# Altium PCB LimeSDR-USB_1v4s.PcbDoc (part 4 of 10) (continued)
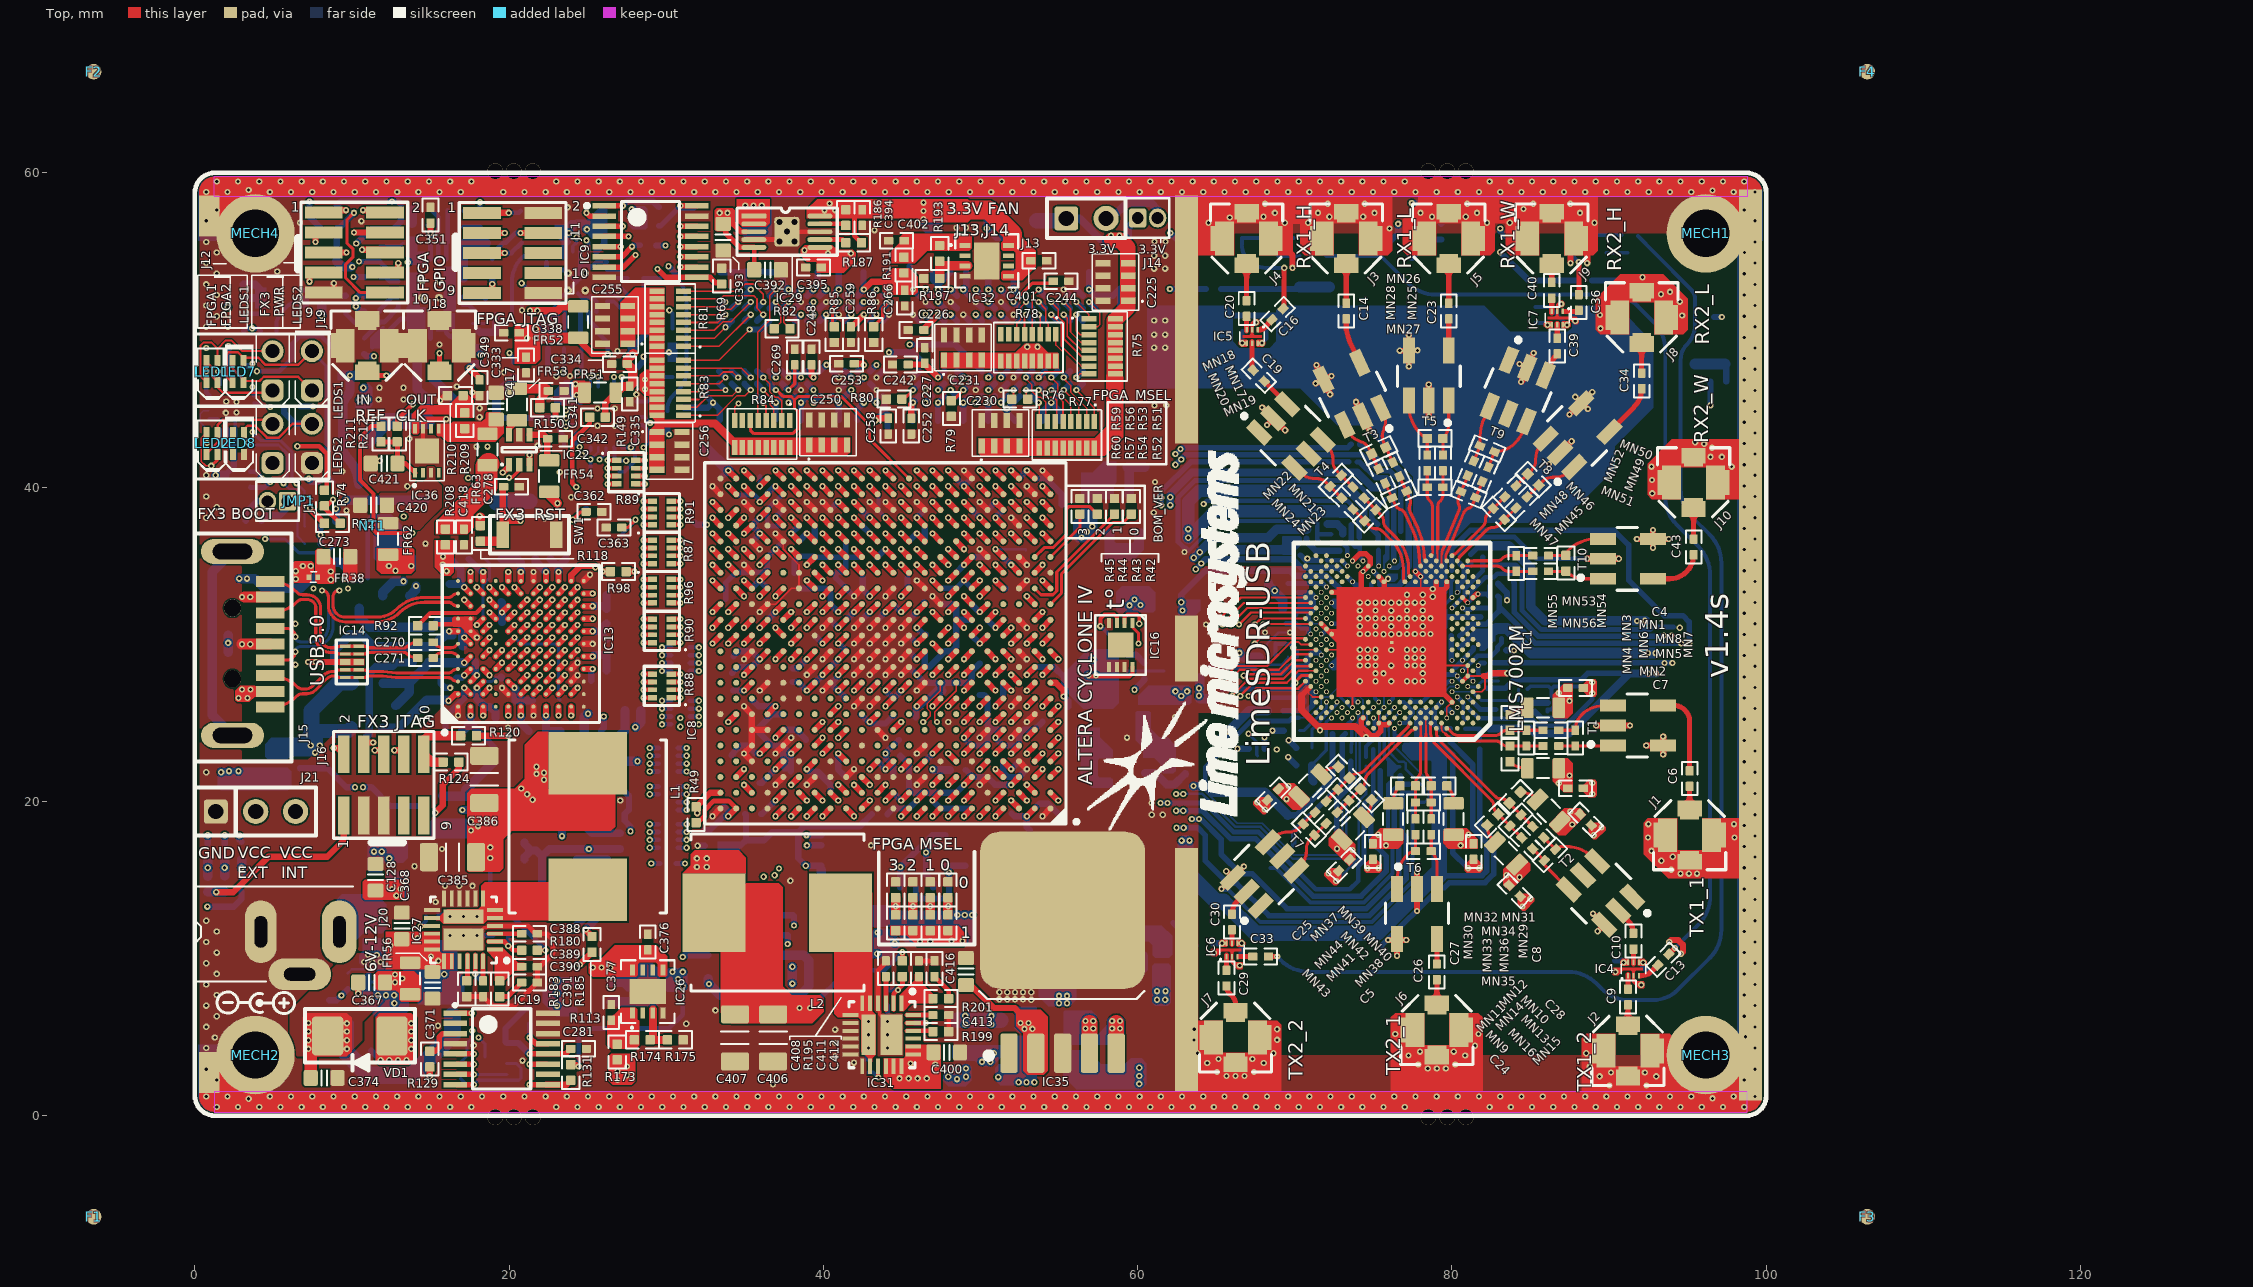
[diagram p0: Top view]
## Nets (pads, with @x,y where several pads share a name; then routed paths per layer and width w, separated by ;. In a path a pad name is that pad's centre, name@x,y a point inside that pad or via, vN(x,y) a via of type N, cw(c..) or ccw(c..) an arc to the next point about the centre after c; other vN are vias at no path point) (continued)
FPGA_GPIO7: IC8.F1 J12.8 | length 88
  Top w0.4: J12.8@12.1,53.65 12.95,53.65 v1(12.95,54.25) ; IC8.F1@54.45,24.55 v2(54.95,25.05)
  L9 w0.1: v1(12.95,54.25) 13.675,54.975 15.8,54.975 19.175,51.6 21.974,51.6 23.074,50.5 30.45,50.5 33.875,53.925 57.564,53.925 58.875,52.614 58.875,35.222 56.103,32.45 54.75,32.45 54.1,31.8 53.541,31.8 53.141,31.4 52.795,31.4 52.095,30.7 51.539,30.7 50.2,29.361 50.2,28.739 50.6,28.339 50.6,28.046 50.846,27.8 51.175,27.8 51.675,27.3 51.675,26.83 52.86,25.645 53.205,25.645 53.8,25.05 v2(54.95,25.05)
FPGA_I2C_SCL: IC8.H7 R112.2 | length 60.2
  Top w0.4: v2(47.95,26.05) IC8.H7@48.45,26.55
  L9 w0.1: v1(17.65,5.4) 17.075,5.975 17.075,6.758 19.767,9.45 23.517,9.45 24.242,10.175 27.492,10.175 34.725,17.408 34.725,18.778 33.05,20.453 33.05,23.4 31.725,24.725 31.725,26.545 31.93,26.75 32.589,26.75 34.6,28.761 34.6,29.195 34.805,29.4 35.475,29.4 35.675,29.6 36.439,29.6 37.6,30.761 37.6,31.195 37.805,31.4 38.095,31.4 38.345,31.15 38.345,30.716 39.661,29.4 40.095,29.4 40.3,29.195 40.3,26.875 40.85,26.325 44.029,26.325 44.279,26.075 45.425,26.075 45.875,25.625 46.553,25.625 46.778,25.4 47.3,25.4 v2(47.95,26.05)
  Bottom w0.2: R112.2@16.9,3.375 17.325,3.8 17.325,4.616 17.65,4.941 v1(17.65,5.4)
FPGA_I2C_SDA: IC8.J7 R110.2 | length 58.7
  Top w0.1: v2(47.225,25.05) 47.075,25.2 47.075,25.67 48.45,27.045 IC8.J7@48.45,27.55
  L9 w0.1: v1(18.05,4.975) 18.05,5.605 17.275,6.38 17.275,6.675 19.85,9.25 23.6,9.25 24.325,9.975 27.575,9.975 34.925,17.325 34.925,18.861 33.25,20.536 33.25,23.841 32.6,24.491 32.6,26.478 34.722,28.6 34.995,28.6 35.795,29.4 36.522,29.4 37.722,30.6 38.178,30.6 39.5,29.278 39.5,26.958 40.708,25.75 45.458,25.75 45.783,25.425 46.47,25.425 46.845,25.05 v2(47.225,25.05)
  Bottom w0.2: v1(18.05,4.975) 18.475,4.55 R110.2@18.475,3.75
FPGA_JTAG_TCK: IC8.L2 J11.1 R62.1 | length 77
  Top w0.4: J11.1@18.525,57.45 v1(19.975,57.45) ; IC8.L2@53.45,29.55 v2(53.95,29.05)
  L9 w0.1: v1(19.975,57.45) 20.075,57.35 20.075,56.03 19.375,55.33 19.375,54.75 19.575,54.55 20.442,54.55 23.492,51.5 28.799,51.5 29.699,52.4 30.936,52.4 33.461,54.925 33.626,54.925 37.55,54.925 38.129,54.925 38.629,55.425 42.033,55.425 42.508,54.95 57.953,54.95 59.875,53.028 59.875,34.808 54.75,29.683 54.75,29.675 54.125,29.05 v2(53.95,29.05)
  Bottom w0.3: v1(19.975,57.45) 20.625,57.45 R62.1@20.75,57.575
FPGA_JTAG_TDI: IC8.L5 J11.9 R58.1 | length 73.9
  Top w0.4: J11.9@18.925,52.55 v1(18.925,52.925) ; IC8.L5@50.45,29.55 v2(50.95,29.05)
  L9 w0.1: v1(18.925,52.925) 19.6,52.25 22.176,52.25 23.326,51.1 28.964,51.1 29.864,52 31.101,52 33.626,54.525 57.813,54.525 59.475,52.863 59.475,34.974 54.35,29.849 54.35,29.841 54.109,29.6 51.5,29.6 v2(50.95,29.05)
  Bottom w0.4: v1(18.925,52.925) R58.1@18.925,53.5
FPGA_JTAG_TDO: IC8.L4 J11.3 | length 76.6
  Top w0.4: J11.3@18.275,56.175 v1(19.725,56.175) ; IC8.L4@51.45,29.55 v2(51.95,29.05)
  L9 w0.1: v1(19.725,56.175) 19.175,55.625 19.175,54.667 19.492,54.35 20.359,54.35 23.409,51.3 28.881,51.3 29.781,52.2 31.019,52.2 33.544,54.725 38.875,54.725 39.655,54.725 40.155,55.225 41.95,55.225 42.425,54.75 57.871,54.75 59.675,52.946 59.675,34.891 54.55,29.766 54.55,29.758 54.192,29.4 52.3,29.4 v2(51.95,29.05)
FPGA_JTAG_TMS: IC8.L1 J11.5 R55.1 | length 75.5
  Top w0.4: J11.5@18.275,54.9 v1(19.725,54.9) ; IC8.L1@54.45,29.55 v2(54.95,29.05)
  L9 w0.1: v1(19.725,54.9) 20.375,54.9 23.575,51.7 28.716,51.7 29.616,52.6 30.853,52.6 35.608,57.355 38.349,57.355 40.079,55.625 42.116,55.625 42.591,55.15 58.036,55.15 60.075,53.111 60.075,34.725 54.95,29.6 v2(54.95,29.05)
  Bottom w0.3: v1(19.725,54.9) 20.15,54.9 R55.1@20.8,55.55
FPGA_LED1_G: IC8.D2 R168.1 | length 72.2
  Top w0.4: IC8.D2@53.45,22.55 v2(53.95,23.05)
  L8 w0.1: v1(4.8,40.325) 4.525,40.05 4.075,40.05 3.65,39.625 3.65,38.608 4.108,38.15 6.464,38.15 6.939,37.675 7.909,37.675 16.225,29.359 16.225,28.825 16.9,28.15 16.9,27.1 17.225,26.775 17.225,25.431 17.55,25.106 17.861,25.106 18.08,24.888 18.355,24.888 19.617,23.625 22.349,23.625 26.975,18.999 26.975,17.064 29.539,14.5 38.6,14.5 43.575,19.475 43.575,20.18 43.75,20.355 44.264,20.355 45.459,21.55 45.955,21.55 48.03,23.625 53.375,23.625 v2(53.95,23.05)
  Bottom w0.2: R168.1@3.525,39.975 R168.1@3.525,40.05
  Bottom w0.3: R168.1@3.525,39.975 4.45,39.975 v1(4.8,40.325)
FPGA_LED1_R: IC8.E3 LED1.2 LED1.3 LEDS1.K1 | length 81.8
  Top w0.15: LED1.2@0.75,48.05 0.75,47.957 1.1,47.607 1.1,47.068 1.45,46.718 LED1.3@1.45,46.65 1.45,46.35 1.8,46 4.8,46 LEDS1.K1@4.95,46.15
  Top w0.4: v2(51.95,23.05) IC8.E3@52.45,23.55
  L8 w0.1: LEDS1.K1@4.95,46.125 5.8,45.275 5.8,43.673 5.302,43.175 4.542,43.175 3.25,41.883 3.25,38.442 3.942,37.75 6.299,37.75 7.774,36.275 8.743,36.275 15.825,29.193 15.825,25.6 18.2,23.225 22.183,23.225 26.575,18.833 26.575,16.899 29.374,14.1 38.778,14.1 44.5,19.822 44.5,20.025 45.15,20.675 46.075,20.675 46.875,21.475 47.35,21.475 48.5,22.625 51.525,22.625 v2(51.95,23.05)
FPGA_LED2_G: IC8.J4 R170.1 | length 75.5
  Top w0.4: IC8.J4@51.45,27.55 v2(51.95,27.05)
  L8 w0.1: v1(7.25,40.525) 7.043,40.525 6.768,40.8 5.65,40.8 5.225,40.375 5.225,40.1 4.975,39.85 4.158,39.85 3.85,39.542 3.85,38.691 4.191,38.35 6.625,38.35 6.975,38 7.867,38 16.425,29.442 16.425,28.914 16.964,28.375 17.217,28.375 17.5,28.092 17.5,26.525 17.95,26.075 17.95,25.3 18.162,25.088 18.437,25.088 19.7,23.825 22.432,23.825 27.175,19.082 27.175,17.147 29.622,14.7 36.225,14.7 36.55,15.025 36.55,19.145 36.805,19.4 37.475,19.4 38.675,20.6 39.392,20.6 44.592,25.8 45.25,25.8 45.85,26.4 47.805,26.4 48.805,27.4 49.095,27.4 49.87,26.625 51.525,26.625 v2(51.95,27.05)
  Bottom w0.4: v1@7.25,40.475 7.4,40.325 R170.1@7.875,40.325
FPGA_LED2_R: IC8.E1 LED7.2 LED7.3 LEDS1.K2 | length 89.6
  Top w0.15: LED7.2@2.4,48.05 2.4,47.55 3.1,46.85 LED7.3@3.1,46.75 ; LED7.3@3.1,46.65 LED7.3@3.1,46.75 ; LEDS1.K2@7.45,46.15 6.575,47.025 4.383,47.025 4.108,46.75 LED7.3@3.1,46.75
  Top w0.4: IC8.E1@54.45,23.55 v2(54.95,24.05)
  L8 w0.1: LEDS1.K2@7.45,46.125 6.55,47.025 4.378,47.025 4.153,46.8 4.15,46.8 4.025,46.675 4.025,42.941 3.05,41.966 3.05,38.359 3.884,37.525 6.241,37.525 7.691,36.075 8.661,36.075 15.625,29.111 15.625,25.517 18.117,23.025 22.1,23.025 26.375,18.75 26.375,16.816 29.291,13.9 38.861,13.9 44.586,19.625 45.03,19.625 45.805,20.4 46.795,20.4 48.795,22.4 52.467,22.4 52.667,22.6 53.995,22.6 54.95,23.555 v2(54.95,24.05)
FPGA_NCONFIG: IC8.K5 R105.2 R106.2 | length 151.8
  Top w0.4: v2(49.95,28.05) IC8.K5@50.45,28.55
  L9 w0.1: v1(1.9,15.775) 1.926,15.775 5.025,18.874 5.025,19.875 3.947,20.953 3.947,21.507 6.025,23.584 6.025,37.225 5.125,38.125 4.275,38.125 3.85,38.55 3.85,42.175 4.65,42.975 5.385,42.975 6,43.59 6,46.79 5.59,47.2 5.175,47.2 4.075,48.3 4.075,48.977 6.35,51.252 6.35,54.583 6.925,55.158 6.925,55.911 8.989,57.975 11.375,57.975 12.8,56.55 18.558,56.55 19.808,57.8 20.12,57.8 20.425,57.495 20.425,57.325 20.275,57.175 20.275,55.283 23.658,51.9 28.633,51.9 29.533,52.8 30.77,52.8 35.525,57.555 38.432,57.555 40.162,55.825 42.199,55.825 42.674,55.35 58.119,55.35 60.275,53.194 60.275,35.459 61.05,34.684 61.05,30.525 55.125,24.6 52.708,24.6 52.5,24.808 52.5,25.278 52.178,25.6 51.754,25.6 51.5,25.854 51.5,26.278 51.178,26.6 50.683,26.6 49.95,27.333 v2(49.95,28.05)
  Bottom w0.6: R105.2@1.9,15.25 R106.2@1.9,16.3
FPGA_NSTATUS: IC8.K6 R104.2 R107.2 | length 155.4
  Top w0.4: v2(48.95,28.05) IC8.K6@49.4,28.5
  L9 w0.1: v1(0.825,15.775) 2.326,17.276 3.144,17.276 4.825,18.956 4.825,19.792 3.747,20.87 3.747,21.59 5.825,23.667 5.825,37.142 5.042,37.925 4.192,37.925 3.65,38.467 3.65,42.258 4.567,43.175 5.302,43.175 5.8,43.673 5.8,46.707 5.507,47 5.092,47 3.875,48.217 3.875,49.06 6.15,51.335 6.15,54.702 6.5,55.052 6.5,55.768 8.907,58.175 11.525,58.175 12.95,56.75 18.475,56.75 19.725,58 20.203,58 20.625,57.578 20.625,57.242 20.475,57.092 20.475,55.366 22.928,52.913 23.916,52.913 24.15,52.678 24.15,52.475 24.525,52.1 28.55,52.1 29.45,53 30.687,53 34.675,56.988 34.675,58.07 34.88,58.275 36.22,58.275 36.74,57.755 38.515,57.755 40.245,56.025 42.281,56.025 42.756,55.55 58.202,55.55 60.475,53.277 60.475,35.542 61.25,34.767 61.25,30.442 55.208,24.4 52.625,24.4 52.3,24.725 52.3,25.195 52.095,25.4 51.671,25.4 51.3,25.771 51.3,26.195 51.095,26.4 50.6,26.4 v2(48.95,28.05)
  Bottom w0.6: R104.2@0.825,15.225 R107.2@0.825,16.3
FPGA_SPI0_LMS_SS: IC8.D10 R9.2 | length 23.7
  Top w0.4: v2(44.95,22.05) IC8.D10@45.45,22.55
  L10 w0.1: v2(44.95,22.05) 45.4,22.5 47.895,22.5 48.3,22.905 48.3,23.225 48.65,23.575 56.2,23.575 56.375,23.4 66.3,23.4 v1(66.35,23.35)
  Bottom w0.4: v1(66.35,23.35) R9.2@67.075,23.35
FPGA_SPI0_MISO: IC8.C8 R8.2 | length 26.4
  Top w0.4: v2(46.95,21.05) IC8.C8@47.45,21.55
  L10 w0.1: v2(46.95,21.05) 47.3,21.4 55.125,21.4 55.85,22.125 69.395,22.125 69.975,22.705 69.975,23.525 v1(69.612,23.888)
  Bottom w0.4: v1(69.612,23.888) R8.2@70.1,23.4
FPGA_SPI0_MOSI: IC8.D7 R7.2 | length 23.7
  Top w0.4: v2(47.95,23.05) IC8.D7@48.45,22.55
  L10 w0.1: v2(47.95,23.05) 47.95,23.525 48.9,24.475 55.625,24.475 56.5,23.6 65.825,23.6 65.925,23.7 67.2,23.7 68,24.5 v1(68.575,24.5)
  Bottom w0.4: v1(68.575,24.5) R7.2@69.3,24.5
FPGA_SPI0_SCLK: IC8.E6 R6.2 | length 22.5
  Top w0.4: v2(48.95,23.05) IC8.E6@49.45,23.55
  L10 w0.1: v2(48.95,23.05) 49.575,22.425 51.425,22.425 51.65,22.65 69.425,22.65 v1(69.587,22.813)
  Bottom w0.4: v1(69.587,22.813) R6.2@70.1,22.3
FPGA_SPI1_ADF_SS: IC8.J5 R165.1 | length 73.3
  Top w0.4: IC8.J5@50.45,27.55 v2(50.95,27.05)
  L8 w0.1: v1(10.1,53.375) 9.4,52.675 9.4,46.008 13.383,42.025 20.25,42.025 21.325,43.1 28.95,43.1 29.75,43.9 30.444,43.9 33.643,40.7 34.125,40.7 34.55,40.275 34.55,39.85 34.8,39.6 35.178,39.6 35.6,39.178 35.6,38.905 36.35,38.155 36.35,35.45 38.6,33.2 39.275,33.2 39.8,32.675 54.225,32.675 54.55,32.35 54.55,29.725 54.25,29.425 53.8,29.425 53.6,29.225 53.6,28.725 53.275,28.4 52.805,28.4 52.6,28.195 52.6,27.905 53.3,27.205 53.3,26.905 53.095,26.7 52.795,26.7 52.095,27.4 51.3,27.4 v2(50.95,27.05)
  Bottom w0.4: v1(10.1,53.375) R165.1@10.775,53.375
FPGA_SPI1_DAC_SS: IC8.J3 IC22.1 | length 64.9
  Top w0.4: v1(19.6,40.925) 20,41.325 IC22.1@20,41.425 ; v1(51.95,28.05) IC8.J3@52.45,27.55
  L8 w0.1: v1(19.6,40.925) 19.2,40.525 19.2,34.65 19.9,33.95 19.9,33.075 19.2,32.375 19.2,31.067 19.5,30.767 19.5,30.275 19.2,29.975 19.2,29.48 19.505,29.175 19.695,29.175 19.9,28.97 19.9,26.025 19.6,25.725 19.6,25.314 19.805,25.109 20.011,25.109 21.095,24.025 22.515,24.025 27.375,19.165 27.375,17.23 29.705,14.9 35.133,14.9 35.85,15.617 35.85,19.792 36.558,20.5 38.009,20.5 38.355,20.846 38.355,21.233 38.822,21.7 39.105,21.7 40.35,22.945 40.35,23.35 40.75,23.75 41.05,23.75 44.975,27.675 46.08,27.675 46.805,28.4 51.6,28.4 v1(51.95,28.05)
FPGA_SPI1_MOSI: IC8.L8 IC22.3 R164.1 | length 51
  Top w0.4: IC22.3@21.3,41.4 IC22.3@21.3,41.425 v1(21.3,42.05) ; v2(46.95,30.05) IC8.L8@47.45,29.55
  L9 w0.1: v1(10.25,52.025) 15.15,47.125 17.508,47.125 19.875,44.758 19.875,43.475 v1(21.3,42.05) 21.3,39.85 23.95,37.2 32.225,37.2 32.975,36.45 34.05,36.45 34.275,36.225 34.275,35.8 34.675,35.4 36.45,35.4 37.35,34.5 37.35,33.85 38.6,32.6 38.6,31.905 39.005,31.5 44.995,31.5 46.445,30.05 v2(46.95,30.05)
  Bottom w0.4: v1(10.25,52.025) 10.5,52.275 R164.1@10.775,52.275 R164.1@10.775,52.175
FPGA_SPI1_SCLK: IC8.K8 IC22.2 R163.1 | length 58.3
  Top w0.2: v1@20.05,40.625 20.2,40.625 20.65,41.075 IC22.2@20.65,41.425
  Top w0.4: v2(46.95,28.05) IC8.K8@47.45,28.55
  L9 w0.1: v1(10.25,51.5) 10.492,51.5 15.067,46.925 17.425,46.925 19.65,44.7 19.65,43.35 20,43 v1(20,40.6) 20.267,40.6 23.892,36.975 28.695,36.975 28.925,36.745 28.925,35.35 29.6,34.675 36.892,34.675 37.15,34.417 37.15,33.767 38.4,32.517 38.4,31.7 38.545,31.555 38.545,30.799 39.743,29.6 40.178,29.6 40.5,29.278 40.5,26.958 40.933,26.525 44.125,26.525 44.35,26.3 46.205,26.3 46.805,25.7 47.095,25.7 47.3,25.905 47.3,26.5 47.15,26.65 47.15,27.85 v2(46.95,28.05)
  Bottom w0.4: v1(10.25,51.5) 10.575,51.175 R163.1@10.775,51.175
FPGA_UART_RX: IC8.J1 R109.2 R111.2 | length 42.2
  Top w0.4: IC8.J1@54.45,27.55 54.8,27.55 55.3,27.05 v2(55.3,26.675)
  L10 w0.1: v1(27.725,18.1) 27.375,17.75 27.375,17.225 30.4,14.2 36.445,14.2 42.845,20.6 44.1,20.6 44.55,21.05 44.55,22.145 45.105,22.7 47.105,22.7 47.7,23.295 47.7,23.725 48.675,24.7 54.105,24.7 55.3,25.895 v2(55.3,26.675)
  Bottom w0.4: R111.2@27.025,20.725 27.25,20.725 27.625,20.35 27.625,19.475 27.359,19.209 27.359,18.759 27.725,18.393 v1(27.725,18.1) ; v2(55.3,26.675) 55.575,26.4 R109.2@55.575,26.025
FPGA_UART_TX: IC8.J8 R113.2 | length 46.9
  Top w0.1: v2(46.35,25.05) 46.431,25.05 46.79,25.409 46.79,25.715 46.6,25.905 46.6,26.195 47.45,27.045 IC8.J8@47.45,27.55
  Top w0.4: v1(24.5,9.625) R113.2@25.275,10.4
  L9 w0.1: v1(24.5,9.625) 24.65,9.775 27.658,9.775 35.125,17.242 35.125,18.944 33.45,20.619 33.45,23.924 32.8,24.574 32.8,26.395 34.805,28.4 35.795,28.4 36.135,28.74 36.145,28.74 37.805,30.4 38.095,30.4 39.3,29.195 39.3,26.875 40.625,25.55 45.375,25.55 45.7,25.225 46.175,25.225 v2(46.35,25.05)
FX3_CTL0: IC8.L6 R99.2 | length 28
  Top w0.4: v2(48.95,29.05) IC8.L6@49.45,29.55
  L8 w0.1: v1(31.2,16.05) 31.2,15.475 31.575,15.1 35.05,15.1 35.65,15.7 35.65,19.875 36.475,20.7 37.105,20.7 38.805,22.4 44.905,28.5 46.45,28.5 46.65,28.7 48.6,28.7 v2(48.95,29.05)
  Bottom w0.3: R99.2@30.625,16.05 v1(31.2,16.05)
FX3_CTL1: IC8.L7 R100.2 | length 27.4
  Top w0.4: v2(47.95,29.05) IC8.L7@48.45,29.55
  L8 w0.1: v1(31.3,17.05) 31.575,16.775 31.575,15.625 31.825,15.375 34.875,15.375 35.35,15.85 35.35,19.955 44.095,28.7 46.175,28.7 46.525,29.05 v2(47.95,29.05)
  Bottom w0.3: R100.2@30.725,17.05 v1(31.3,17.05)
FX3_CTL2: IC8.M1 R100.4 | length 29.3
  Top w0.4: v2(53.95,30.05) IC8.M1@54.45,30.55
  L8 w0.1: v1(31.3,17.55) 32.228,17.55 33.5,18.822 33.5,19.095 43.805,29.4 52.9,29.4 53.55,30.05 v2(53.95,30.05)
  Bottom w0.3: R100.4@30.725,17.55 v1(31.3,17.55)
FX3_CTL3: IC8.M2 R100.6 | length 28.7
  Top w0.4: v2(52.95,30.05) IC8.M2@53.45,30.55
  L8 w0.1: v1(31.3,18.05) 32.445,18.05 33.3,18.905 33.3,19.9 43,29.6 52.8,29.6 52.95,29.75 v2(52.95,30.05)
  Bottom w0.3: R100.6@30.725,18.05 v1(31.3,18.05)
FX3_CTL4: IC8.M3 R100.8 | length 27.9
  Top w0.4: v2(51.95,30.05) IC8.M3@52.45,30.55
  L8 w0.1: v1(31.3,18.55) 32.237,18.55 32.55,18.862 32.55,20.145 42.805,30.4 49.625,30.4 50.095,30.4 50.695,29.8 51.7,29.8 v2(51.95,30.05)
  Bottom w0.3: R100.8@30.725,18.55 v1(31.3,18.55)
FX3_CTL5: IC8.M4 R101.2 | length 27.4
  Top w0.4: IC8.M4@51.45,30.55 v2(51.95,31.05)
  L8 w0.1: v1(31.3,21.9) 36.5,27.1 36.5,29.095 39.105,31.7 51.3,31.7 v2(51.95,31.05)
  Bottom w0.3: R101.2@30.725,21.9 v1(31.3,21.9)
FX3_CTL6: IC8.M6 R101.4 | length 27.9
  Top w0.4: IC8.M6@49.45,30.55 v2(49.95,31.05)
  L4 w0.1: v1(31.3,22.4) 31.075,22.625 30.425,22.625 30.15,22.35 30.15,21.575 30.425,21.3 31.445,21.3 32.095,20.65 34.045,20.65 43.095,29.7 48.2,29.7 49.55,31.05 v2(49.95,31.05)
  Bottom w0.3: R101.4@30.725,22.4 v1(31.3,22.4)
FX3_CTL7: IC8.M7 R101.6 | length 26.3
  Top w0.4: v2(47.95,30.05) IC8.M7@48.45,30.55
  L4 w0.1: v1(31.3,22.9) 31.925,22.275 31.925,21.3 32.25,20.975 34.087,20.975 34.555,21.443 34.555,22.15 34.93,22.525 34.93,22.535 44.095,31.7 47.375,31.7 47.6,31.475 47.6,31.205 47.075,30.68 47.075,30.425 47.6,29.9 47.8,29.9 v2(47.95,30.05)
  Bottom w0.3: R101.6@30.725,22.9 v1(31.3,22.9)
FX3_CTL8: IC8.M8 R101.8 | length 26.1
  Top w0.4: IC8.M8@47.45,30.55 v2(47.95,31.05)
  L4 w0.1: v1(31.3,23.4) 32.175,23.4 cw(c32.175,23.096) 32.479,23.096 32.479,22.434 ccw(c32.783,22.434) 32.783,22.13 ccw(c32.783,22.434) 33.087,22.434 33.087,23.096 cw(c33.391,23.096) 33.391,23.4 33.695,23.4 33.75,23.4 34.25,23.4 36.525,25.675 37.07,25.675 44.22,32.825 44.65,32.825 45.225,32.25 45.625,32.25 46.075,32.7 46.4,32.7 46.7,32.4 48.05,32.4 48.3,32.15 48.3,31.4 v2(47.95,31.05)
  Bottom w0.3: R101.8@30.725,23.4 v1(31.3,23.4)
FX3_CTL9: IC8.N1 R102.2 | length 29.2
  Top w0.4: v2(53.95,31.05) IC8.N1@54.45,31.55
  L8 w0.1: v1(31.3,19.45) 31.875,20.025 31.875,20.47 42.005,30.6 49.753,30.6 50.425,30.6 50.625,30.4 53.3,30.4 v2(53.95,31.05)
  Bottom w0.3: R102.2@30.725,19.45 v1(31.3,19.45)
FX3_CTL10: IC8.N2 R102.4 | length 30.4
  Top w0.4: IC8.N2@53.45,31.55 v2(53.95,32.05)
  L8 w0.1: v1(31.3,19.95) 31.345,19.95 31.65,20.255 31.65,20.575 36.63,25.555 36.63,26.225 41.805,31.4 49.553,31.4 50.095,31.4 50.795,30.7 53.1,30.7 53.95,31.55 v2(53.95,32.05)
  Bottom w0.3: R102.4@30.725,19.95 v1(31.3,19.95)
FX3_CTL11: IC8.N5 R102.6 | length 26.8
  Top w0.4: IC8.N5@50.45,31.55 v2(50.95,32.05)
  L4 w0.1: v1(31.3,20.45) 34.855,20.45 43.055,28.65 43.855,28.65 44.805,27.7 46.095,27.7 47.895,29.5 48.283,29.5 49.46,30.678 50.072,30.678 50.325,30.93 50.325,31.425 v2(50.95,32.05)
  Bottom w0.3: R102.6@30.725,20.45 v1(31.3,20.45)
FX3_CTL12: IC8.N6 R102.8 | length 29.3
  Top w0.4: v2(48.95,32.05) IC8.N6@49.45,31.55
  L4 w0.1: v1(31.3,20.95) 30.4,20.95 29.95,21.4 29.95,23.85 30.225,24.125 31.242,24.125 31.517,23.85 34.255,23.85 43.805,33.4 48.095,33.4 48.3,33.195 48.3,32.95 48.95,32.3 v2(48.95,32.05)
  Bottom w0.3: R102.8@30.725,20.95 v1(31.3,20.95)
FX3_DCTL9: IC8.P2 IC13.H6 | length 45.4
  Top w0.4: IC13.H6@22.35,30.025 v2(22.75,30.425) ; v2(52.95,33.05) IC8.P2@53.45,32.55
  L3 w0.1: v2(22.75,30.425) 23.1,30.775 24.495,30.775 24.725,30.545 24.725,29.85 25,29.575 25.461,29.575 25.566,29.47 25.566,28.984 25.85,28.7 25.85,28.016 27.05,26.816 27.05,25.108 27.808,24.35 29.95,24.35 v1(30.9,25.3)
  L4 w0.1: v1(30.9,25.3) 30.9,25.245 31.895,24.25 34.017,24.25 38.4,28.633 38.4,29.278 39.6,30.478 39.722,30.6 40.017,30.6 40.4,30.983 40.4,31.278 40.6,31.478 40.6,32.195 40.85,32.445 42.805,34.4 49.095,34.4 50.795,34.4 51.3,34.905 51.3,35.319 51.681,35.7 52.219,35.7 52.6,35.319 52.6,33.4 v2(52.95,33.05)
FX3_DCTL10: IC8.N7 IC13.K5 | length 37
  Top w0.4: IC13.K5@23.95,29.225 v2(24.35,29.625) ; IC8.N7@48.45,31.55 v2(48.95,31.05)
  L3 w0.1: v2(24.35,29.625) 24.358,29.625 25.158,28.825 25.442,28.825 25.65,28.617 25.65,27.933 26.85,26.733 26.85,25.025 27.725,24.15 30.3,24.15 v1(30.9,24.75)
  L4 w0.1: v1(30.9,24.75) 31.6,24.05 34.1,24.05 38.6,28.55 38.6,29.195 39.805,30.4 ; 39.8,30.395 39.805,30.4 ; v2(48.95,31.05) 49.3,31.4 49.3,32.233 48.6,32.933 48.6,33.178 48.178,33.6 43.005,33.6 41.09,31.685 40.6,31.195 40.6,30.9 40.1,30.4 39.805,30.4
FX3_DQ0: IC8.M19 R87.2 | length 12.3
  Top w0.3: R87.2@30.325,36.625 v1(30.9,36.625)
  Top w0.4: v2(35.95,30.05) IC8.M19@36.45,30.55
  L3 w0.1: v1(30.9,36.625) 31.118,36.407 35.088,36.407 35.575,35.92 35.575,30.425 v2(35.95,30.05)
FX3_DQ1: IC8.AA21 R87.4 | length 11.7
  Top w0.3: R87.4@30.325,36.125 v1(30.9,36.125)
  Top w0.4: v2(33.95,40.05) IC8.AA21@34.45,39.55
  L8 w0.1: v1(30.9,36.125) 31.487,35.537 31.487,35.163 31.95,34.7 32.2,34.7 33.15,35.65 35.045,35.65 35.3,35.905 35.3,38.205 33.95,39.555 v2(33.95,40.05)
FX3_DQ2: IC8.Y22 R87.6 | length 12
  Top w0.3: R87.6@30.325,35.625 v1(30.9,35.625)
  Top w0.4: v2(32.95,39.05) IC8.Y22@33.45,38.55
  L4 w0.1: v1@30.925,35.65 31.25,35.325 31.25,34.583 32.358,33.475 33.975,33.475 34.4,33.9 34.4,37.095 33.575,37.92 33.575,38.425 v2(32.95,39.05)
FX3_DQ3: IC8.Y21 R87.8 | length 12
  Top w0.3: R87.8@30.325,35.125 v1(30.9,35.125)
  Top w0.4: v2(33.95,38.05) IC8.Y21@34.45,38.55
  L4 w0.1: v1(30.9,35.125) 30.9,34.65 32.925,32.625 34.45,32.625 34.6,32.775 34.6,37.622 34.172,38.05 v2(33.95,38.05)
FX3_DQ4: IC8.W22 R89.2 | length 11.1
  Top w0.3: R89.2@28.05,41.7 v1(28.625,41.7)
  Top w0.4: v2(32.95,38.05) IC8.W22@33.45,37.55
  L8 w0.1: v1(28.625,41.7) 28.275,41.35 28.275,40.055 28.48,39.85 28.77,39.85 30.47,41.55 31.375,41.55 32.4,40.525 32.4,38.6 v2(32.95,38.05)
FX3_DQ5: IC8.W21 R89.4 | length 11.3
  Top w0.3: R89.4@28.05,41.2 v1(28.625,41.2)
  Top w0.4: IC8.W21@34.45,37.55 v2(34.95,38.05)
  L8 w0.1: v1(28.625,41.2) 28.625,41.205 29.025,41.605 29.025,42.525 29.375,42.875 30.903,42.875 33.6,40.178 33.6,39.4 v2(34.95,38.05)
FX3_DQ6: IC8.W20 R89.6 | length 11.1
  Top w0.3: R89.6@28.05,40.7 v1(28.625,40.7)
  Top w0.4: v2(34.95,37.05) IC8.W20@35.45,37.55
  L8 w0.1: v1(28.625,40.7) 29.925,42 31.495,42 33.4,40.095 33.4,39.095 34.95,37.545 v2(34.95,37.05)
FX3_DQ7: IC8.V22 R89.8 | length 11.1
  Top w0.3: R89.8@28.05,40.2 v1(28.625,40.2)
  Top w0.4: v2(32.95,37.05) IC8.V22@33.45,36.55
  L8 w0.1: v1(28.625,40.2) 28.625,40.205 30.22,41.8 31.408,41.8 32.6,40.608 32.6,38.895 33.625,37.87 33.625,37.22 33.6,37.195 33.6,37.175 33.325,36.9 33.1,36.9 v2(32.95,37.05)
FX3_DQ8: IC8.V21 R91.2 | length 11.1
  Top w0.3: R91.2@30.325,39.1 v1(30.9,39.1)
  Top w0.4: v2(33.95,37.05) IC8.V21@34.45,36.55
  L8 w0.1: v1(30.9,39.1) 30.9,39.325 30.175,40.05 30.175,40.875 30.525,41.225 31.417,41.225 32.2,40.442 32.2,37.305 32.805,36.7 33.6,36.7 v2(33.95,37.05)
FX3_DQ9: IC8.U22 R91.4 | length 11.1
  Top w0.3: R91.4@30.325,38.6 v1(30.9,38.6)
  Top w0.4: v2(32.95,36.05) IC8.U22@33.45,35.55
  L8 w0.1: v1(30.9,38.6) 30.9,38.595 30.55,38.245 30.55,37.942 28.9,36.292 28.9,35.6 29.175,35.325 30.4,35.325 30.55,35.475 30.55,36.77 30.755,36.975 31.964,36.975 32.889,36.05 v2(32.95,36.05)
FX3_DQ10: IC8.U21 R91.6 | length 11.3
  Top w0.3: R91.6@30.325,38.1 v1(30.9,38.1)
  Top w0.4: v2(33.95,36.05) IC8.U21@34.45,35.55
  L8 w0.1: v1(30.9,38.1) 30.9,38.105 31.25,38.455 31.25,39.258 30.4,40.108 30.4,40.35 30.65,40.6 31.575,40.6 32,40.175 32,37.222 32.822,36.4 33.095,36.4 33.445,36.05 v2(33.95,36.05)
FX3_DQ11: IC8.U20 R91.8 | length 11.1
  Top w0.3: R91.8@30.325,37.6 v1(30.9,37.6)
  Top w0.4: v2(34.95,36.05) IC8.U20@35.45,35.55
  L9 w0.1: v1(30.9,37.6) 31.4,38.1 31.4,38.975 31.6,39.175 32.3,39.175 32.775,38.7 34.795,38.7 36.55,36.945 36.55,36.725 36.3,36.475 35.375,36.475 v2(34.95,36.05)
FX3_DQ12: IC8.U19 R96.2 | length 12.2
  Top w0.3: R96.2@30.325,34.125 v1(30.9,34.125)
  Top w0.4: v2(35.95,35.05) IC8.U19@36.45,35.55
  L4 w0.1: v1(30.9,34.125) 31.25,33.775 31.25,32.7 31.525,32.425 34.83,32.425 36.005,33.6 37.25,33.6 37.45,33.8 37.45,34.525 37.275,34.7 36.3,34.7 v2(35.95,35.05)
FX3_DQ13: IC8.M22 R96.4 | length 11.1
  Top w0.3: R96.4@30.325,33.625 v1(30.9,33.625)
  Top w0.4: v2(32.95,30.05) IC8.M22@33.45,30.55
  L8 w0.1: v1(30.9,33.625) 29.8,33.625 28.9,32.725 28.9,31.225 29.525,30.6 29.9,30.6 30.45,31.15 30.45,31.725 30.675,31.95 31.05,31.95 v2(32.95,30.05)
FX3_DQ14: IC8.M21 R96.6 | length 11.3
  Top w0.3: R96.6@30.325,33.125 v1(30.9,33.125)
  Top w0.4: v2(33.95,30.05) IC8.M21@34.45,30.55
  L8 w0.1: v1(30.9,33.125) 30.9,33.12 30.55,32.77 30.55,32.48 30.755,32.275 32.22,32.275 32.345,32.4 35.325,32.4 35.575,32.15 35.575,31.65 35.325,31.4 33.805,31.4 33.6,31.195 33.6,30.4 v2(33.95,30.05)
FX3_DQ15: IC8.R22 R96.8 | length 11.1
  Top w0.3: R96.8@30.325,32.625 v1(30.9,32.625)
  Top w0.4: v2(32.95,34.05) IC8.R22@33.45,33.55
  L8 w0.1: v1(30.9,32.625) 36.125,32.625 36.4,32.9 36.4,33.35 36.05,33.7 33.3,33.7 v2(32.95,34.05)
FX3_DQ16: IC8.R21 R88.1 | length 11
  Top w0.3: R88.1@30.325,26.6 v1(30.9,26.6)
  Top w0.4: IC8.R21@34.45,33.55 v2(34.95,33.05)
  L9 w0.1: v1(30.9,26.6) 32.425,28.125 32.425,29.945 31.925,30.445 31.925,31.237 32.288,31.6 32.825,31.6 33.025,31.4 33.825,31.4 34.95,32.525 v2(34.95,33.05)
FX3_DQ17: IC8.R20 R88.3 | length 11.1
  Top w0.3: R88.3@30.325,27.1 v1(30.9,27.1)
  Top w0.4: v2(34.95,34.05) IC8.R20@35.45,33.55
  L9 w0.1: v1(30.9,27.1) 30.55,27.45 30.55,28.245 31.325,29.02 31.325,31.92 32.155,32.75 33.4,32.75 34.7,34.05 v2(34.95,34.05)
FX3_DQ18: IC8.R19 R88.5 | length 10.8
  Top w0.3: R88.5@30.325,27.6 v1(30.9,27.6)
  Top w0.4: v2(35.95,33.05) IC8.R19@36.45,33.55
  L9 w0.1: v1(30.9,27.6) 31.225,27.6 31.725,28.1 31.725,31.32 32.74,32.335 33.585,32.335 34.7,33.45 35.55,33.45 v2(35.95,33.05)
FX3_DQ19: IC8.R18 R88.7 | length 11.4
  Top w0.3: R88.7@30.325,28.1 v1(30.9,28.1)
  Top w0.4: v2(36.95,33.05) IC8.R18@37.45,33.55
  L9 w0.1: v1(30.9,28.1) 31.525,28.725 31.525,31.403 32.657,32.535 33.502,32.535 34.617,33.65 36.35,33.65 v2(36.95,33.05)
FX3_DQ20: IC8.P22 R90.1 | length 11.9
  Top w0.3: R90.1@30.325,30.1 v1(30.9,30.1)
  Top w0.4: v2(32.95,32.05) IC8.P22@33.45,32.55
  L4 w0.1: v1(30.9,30.1) 28.95,32.05 28.95,34 29.25,34.3 30.2,34.3 30.55,33.95 30.55,32.48 30.805,32.225 32.775,32.225 v2(32.95,32.05)
FX3_DQ21: IC8.P21 R90.3 | length 12.2
  Top w0.3: R90.3@30.325,30.6 v1(30.9,30.6)
  Top w0.4: v2(33.95,32.05) IC8.P21@34.45,32.55
  L3 w0.1: v1(30.9,30.6) 31.35,30.15 32.22,30.15 32.67,29.7 35.095,29.7 35.35,29.955 35.35,33.15 34.95,33.55 34.35,33.55 33.95,33.15 v2(33.95,32.05)
FX3_DQ22: IC8.M20 R90.5 | length 12
  Top w0.3: R90.5@30.325,31.1 v1(30.9,31.1)
  Top w0.4: v2(34.95,30.05) IC8.M20@35.45,30.55
  L4 w0.1: v1(30.9,31.1) 31.125,31.1 31.25,30.975 31.25,29.95 31.05,29.75 30.65,29.75 30.475,29.575 30.475,28.625 30.65,28.45 31.575,28.45 31.725,28.6 31.725,30.525 31.9,30.7 34.95,30.7 35.1,30.55 35.1,30.2 v2(34.95,30.05)
FX3_DQ23: IC8.P16 R90.7 | length 12.2
  Top w0.3: R90.7@30.325,31.6 v1(30.9,31.6)
  Top w0.4: v2(38.95,32.05) IC8.P16@39.45,32.55
  L4 w0.1: v1(30.9,31.6) 31,31.5 34.9,31.5 36.8,33.4 39.2,33.4 39.55,33.05 39.55,32.65 v2(38.95,32.05)
FX3_DQ24: IC8.P15 R94.1 | length 12.3
  Top w0.4: v2(39.95,32.05) IC8.P15@40.45,32.55
  L4 w0.1: v1(32.075,26.4) 33.825,26.4 34.1,26.675 35.07,26.675 35.31,26.915 35.31,27.385 36.125,28.2 36.595,28.2 37.345,28.95 37.345,29.295 37.659,29.609 38.004,29.609 39.3,30.905 39.3,31.4 v2(39.95,32.05)
  Bottom w0.3: R94.1@31.5,26.4 v1(32.075,26.4)
FX3_DQ25: IC8.N22 R94.3 | length 11.5
  Top w0.4: v2(32.95,31.05) IC8.N22@33.45,31.55
  L8 w0.1: v1(32.075,25.9) 31.825,25.65 30.65,25.65 30.1,26.2 30.1,27.795 30.675,28.37 30.675,29.325 31.5,30.15 32.22,30.15 32.67,29.7 33.095,29.7 33.3,29.905 33.3,30.7 v2(32.95,31.05)
  Bottom w0.3: R94.3@31.5,25.9 v1(32.075,25.9)
FX3_DQ26: IC8.N21 R94.5 | length 11.7
  Top w0.4: v2(33.95,31.05) IC8.N21@34.45,31.55
  L8 w0.1: v1(32.075,25.4) 32.425,25.75 32.425,26.6 ccw(c32.121,26.6) 32.121,26.904 31.713,26.904 cw(c31.713,27.208) 31.409,27.208 cw(c31.713,27.208) 31.713,27.512 32.425,27.512 33.137,27.512 ccw(c33.137,27.816) 33.441,27.816 ccw(c33.137,27.816) 33.137,28.12 32.729,28.12 cw(c32.729,28.424) 32.425,28.424 32.425,28.45 32.425,28.525 32.425,28.747 33.378,29.7 34.105,29.7 34.3,29.895 34.3,30.7 v2(33.95,31.05)
  Bottom w0.3: R94.5@31.5,25.4 v1(32.075,25.4)
FX3_DQ27: IC8.N20 R94.7 | length 10.9
  Top w0.4: v2(34.95,31.05) IC8.N20@35.45,31.55
  L8 w0.1: v1(32.075,24.9) 32.275,24.7 33.1,24.7 34.6,26.2 34.6,27.195 36.3,28.895 36.3,30.195 35.445,31.05 v2(34.95,31.05)
  Bottom w0.3: R94.7@31.5,24.9 v1(32.075,24.9)
FX3_DQ28: IC8.N19 R97.1 | length 11.4
  Top w0.4: v2(35.95,31.05) IC8.N19@36.45,31.55
  L3 w0.1: v1(32.075,29.8) 32.375,29.5 36.125,29.5 36.975,30.35 38.075,30.35 38.3,30.575 38.3,31.225 37.95,31.575 36.475,31.575 v2(35.95,31.05)
  Bottom w0.3: R97.1@31.5,29.8 v1(32.075,29.8)
FX3_DQ29: IC8.N18 R97.3 | length 11.5
  Top w0.4: IC8.N18@37.45,31.55 v2(37.95,32.05)
  L4 w0.1: v1(32.075,29.3) 32.195,29.3 33.22,28.275 33.67,28.275 34.795,29.4 36.075,29.4 36.35,29.675 36.35,32.425 36.625,32.7 37.625,32.7 37.95,32.375 v2(37.95,32.05)
  Bottom w0.3: R97.3@31.5,29.3 v1(32.075,29.3)
FX3_DQ30: IC8.N17 R97.5 | length 11.4
  Top w0.4: v2(37.95,31.05) IC8.N17@38.45,31.55
  L4 w0.1: v1(32.075,28.8) 32.375,28.8 32.475,28.7 32.475,27.65 32.725,27.4 34.425,27.4 34.6,27.575 34.6,28.425 34.875,28.7 36.1,28.7 36.4,29 36.4,29.425 36.575,29.6 37.084,29.6 37.3,29.816 37.3,31 37.5,31.2 37.8,31.2 v2(37.95,31.05)
  Bottom w0.3: R97.5@31.5,28.8 v1(32.075,28.8)